# Altium PCB radioboard.PcbDoc (part 7 of 9) (continued)
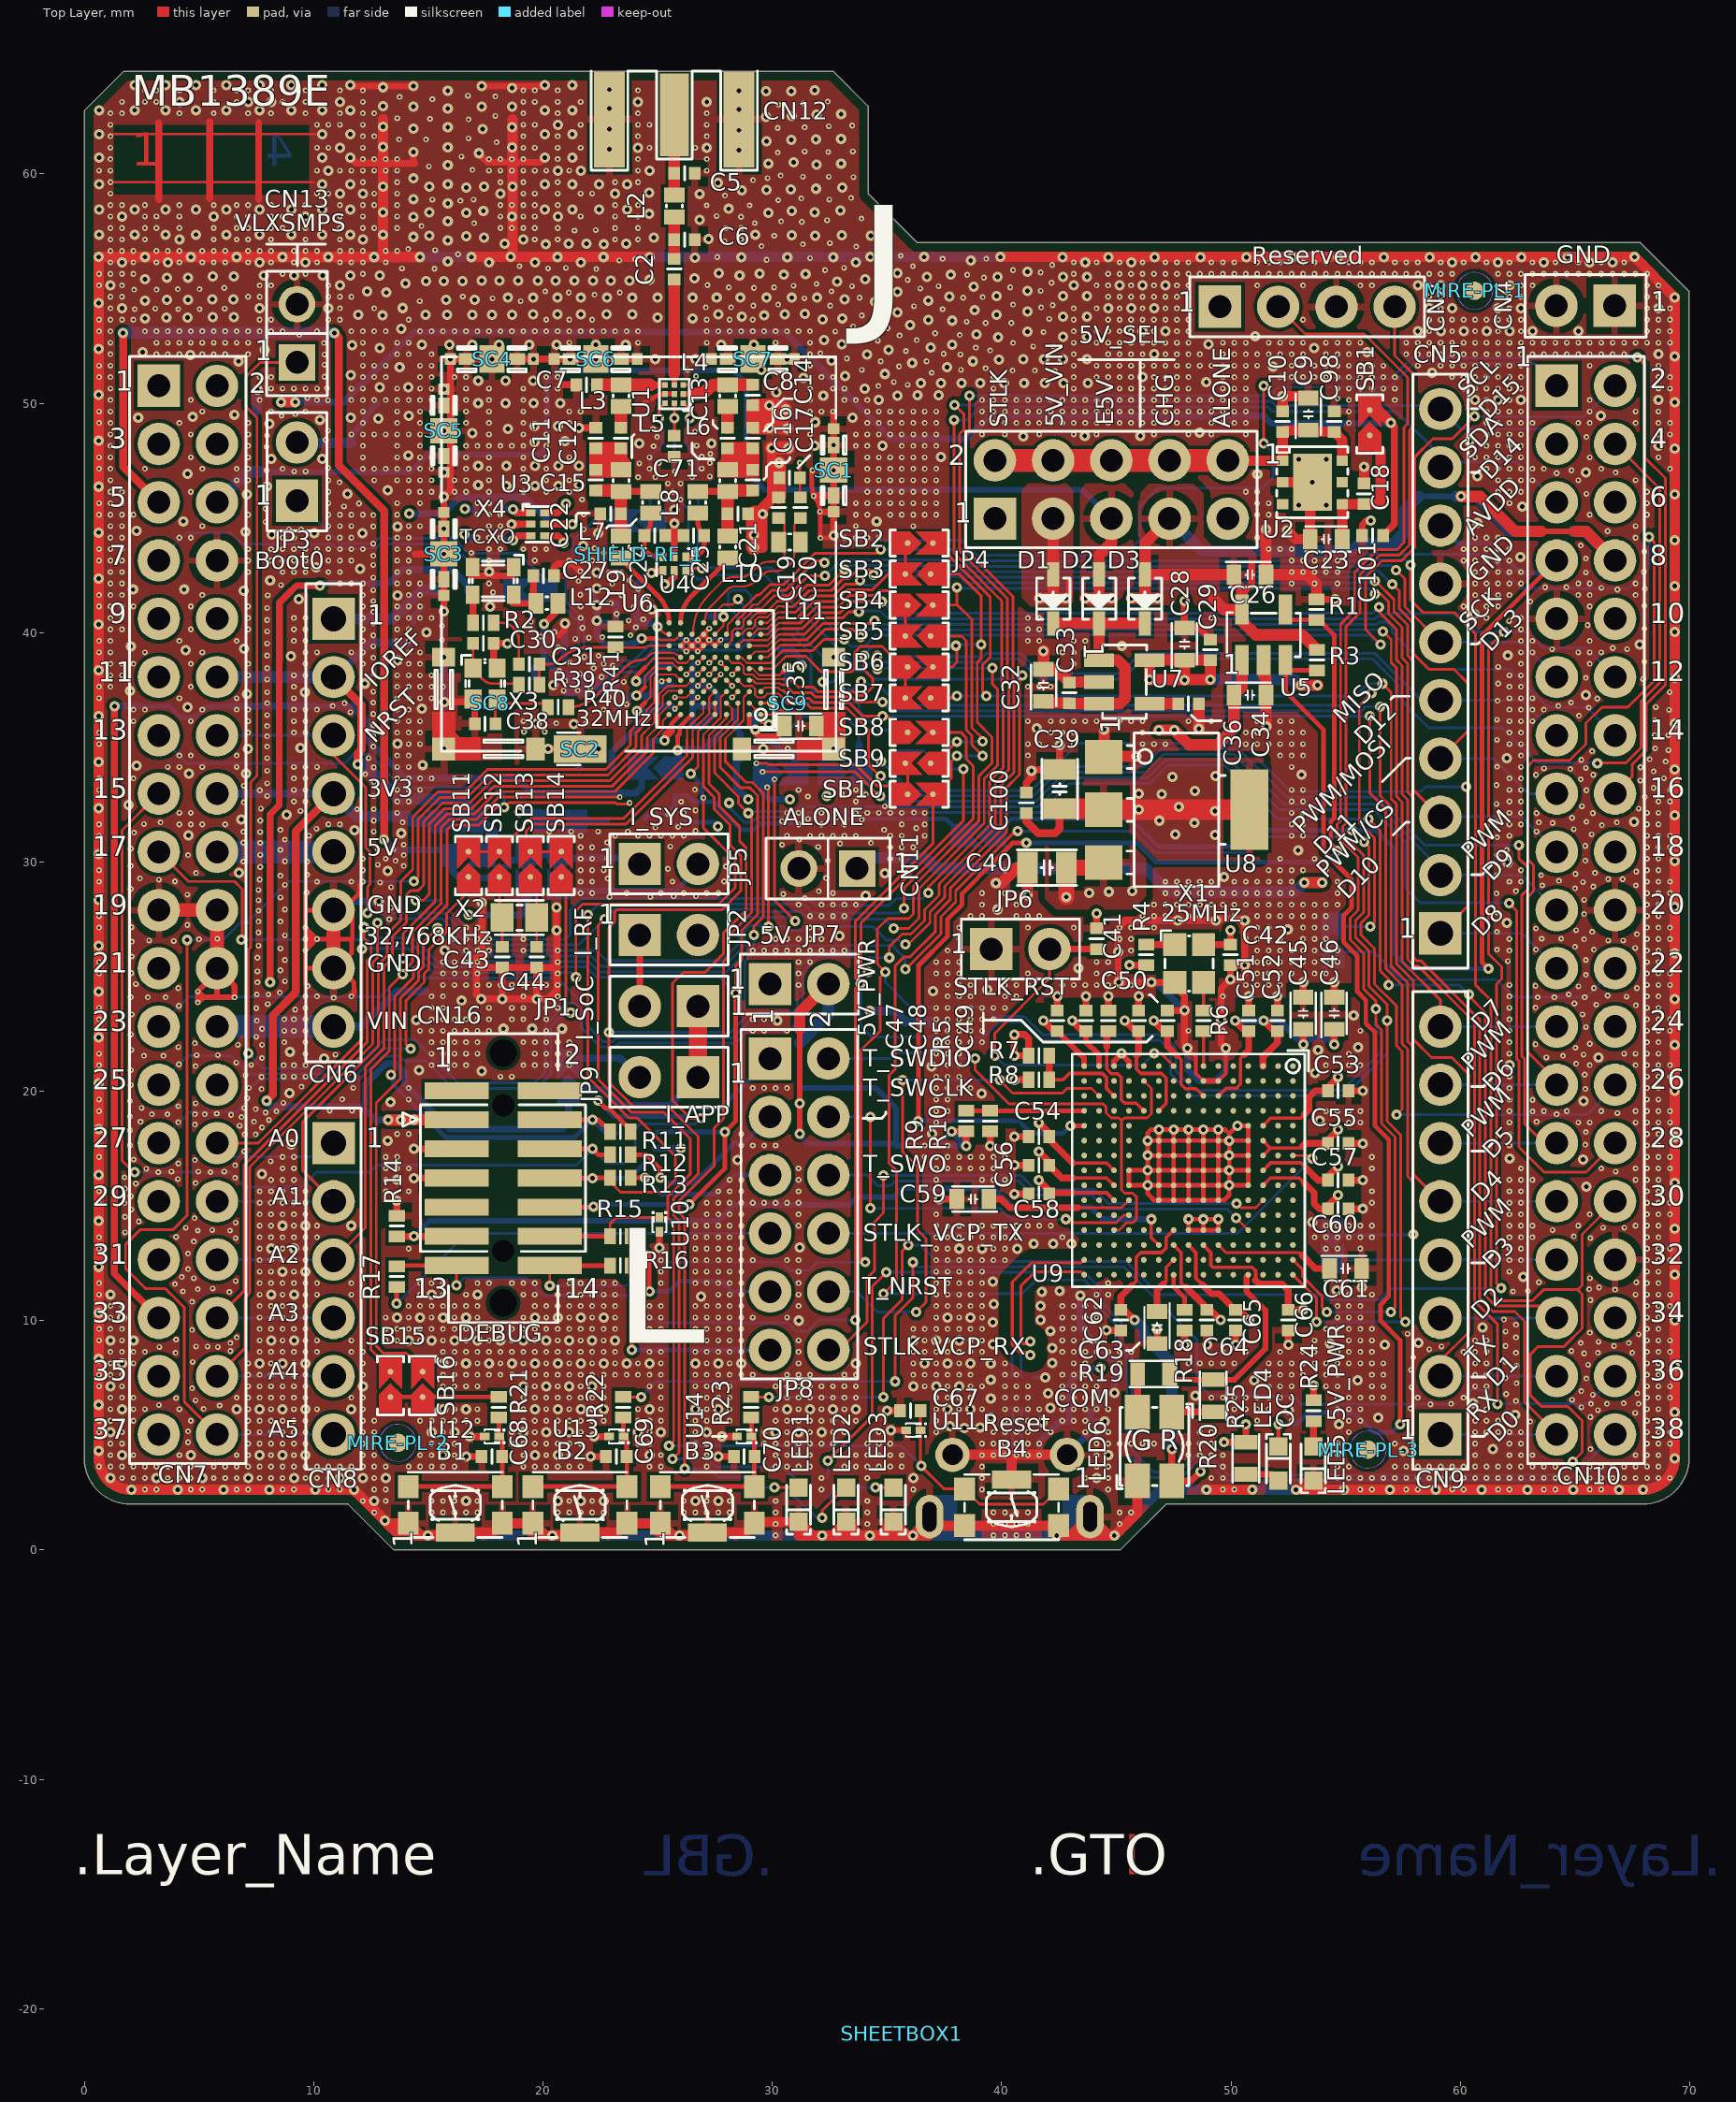
[diagram p0: Top Layer view]
## Nets (pads, with @x,y where several pads share a name; then routed paths per layer and width w, separated by ;. In a path a pad name is that pad's centre, name@x,y a point inside that pad or via, vN(x,y) a via of type N, cw(c..) or ccw(c..) an arc to the next point about the centre after c; other vN are vias at no path point) (continued)
  Top Layer w0.55: 22.65,47.1 C15.2@22.475,47.1 ; 22.85,47.1 L5.2@23.4,47.1 ; C11.2@22.3,48.025 22.85,47.475 ; C11.2@22.3,48.025 C15.2@22.3,47.1 C15.2@22.475,47.1 ; C11.2@22.3,48.025 C12.1@23.4,48.025 ; C15.2@22.475,47.1 22.85,47.475 ; 22.85,47.475 C12.1@23.4,48.025 ; 22.85,47.475 23.225,47.1 L5.2@23.4,47.1 ; L5.2@23.4,47.1 23.4,47.75 C12.1@23.4,48.025
  Top Layer w0.65: C15.2@22.475,47.1 L5.2@23.225,47.1
NetC12_2: C12.2 L3.1 | length 0.9
  Top Layer w0.55: C12.2@23.4,48.925 L3.1@23.4,49.85
NetC13_1: C13.1 L4.1 | length 0.9
  Top Layer w0.55: C13.1@28.05,48.925 L4.1@28.05,49.85
NetC13_2: C13.2 C14.2 C16.1 L6.2 | length 8.7
  Top Layer w0.2: L6.2@28.05,47.1 28.225,47.1 28.45,46.875 C16.1@29.325,46.875
  Top Layer w0.55: 28.125,47.6 28.125,47.525 28.05,47.45 ; 28.05,47.45 27.875,47.275 L6.2@28.05,47.1 28.05,47.45 ; 28.05,47.45 C13.2@28.05,48.025 ; C13.2@28.05,48.025 28.513,47.563 28.6,47.475 ; C13.2@28.05,48.025 C14.2@29.15,48.025 ; 28.6,47.475 C14.2@29.15,48.025 ; 28.6,47.475 28.225,47.1 C16.1@28.975,47.1 ; 28.6,47.475 C16.1@28.975,47.1 ; C16.1@28.975,47.1 C16.1@29.15,47.1 ; C16.1@28.975,47.1 C16.1@29.15,47.1 ; C16.1@29.15,47.1 C14.2@29.15,48.025
NetC15_1: C15.1 C22.2 L5.1 L7.2 L9.2 | length 4.4
  Top Layer w0.3: L5.1@23.4,46.15 L7.2@24.7,46.15
  Top Layer w0.55: C15.1@22.3,46.2 23.35,46.2 L5.1@23.4,46.15 C22.2@23.4,45.175 L9.2@23.4,44.2
NetC16_2: C16.2 C21.2 L6.1 L8.2 L10.2 | length 4.4
  Top Layer w0.21: C21.2@28.05,45.025 C21.2@28.05,45.175
  Top Layer w0.3: L8.2@26.75,46.15 L6.1@28.05,46.15
  Top Layer w0.55: L10.2@28.05,44.2 C21.2@28.05,45.025 ; C21.2@28.05,45.175 L6.1@28.05,46.15 28.1,46.2 C16.2@29.15,46.2
NetC17_2: C17.2 C20.2 U1.3 | length 10.6
  Top Layer w0.11: U1.3@26.125,50.8 26.294,50.8 ccw(c26.294,51.056) 26.475,50.875 26.604,51.004 ccw(c26.434,51.175) v4(26.675,51.175) ; v4(31.2,47.4) C17.2@31.2,46.75 31.2,45.96 ccw(c31.285,45.96) C20.2@31.225,45.9
  Signal Layer 1 w0.1: v4(26.675,51.175) 26.706,51.206 cw(c28.502,49.41) 28.502,51.95 29.375,51.95 cw(c29.375,50.924) 30.101,51.649 30.75,51 cw(c29.664,49.914) 31.2,49.914 v4(31.2,47.4)
NetC18_2: C18.2 C23.2 SB1.1 U2.4 | length 6.4
  Top Layer w0.45: C23.2@54.85,44.075 U2.4@54.85,45.6 C18.2@55.8,45.6 56.45,45.6 56.525,45.675 56.525,47.925 56.05,48.4 SB1.1@56.05,48.6
NetC24_1: C24.1 L7.1 U4.3 | length 2.5
  Top Layer w0.21: L7.1@24.7,45.2 24.7,44.889 cw(c23.761,44.889) C24.1@24.425,44.225 24.425,43.802 ccw(c24.852,43.802) 24.55,43.5 ccw(c25.033,43.983) 25.033,43.3 U4.3@25.225,43.3
NetC25_2: C25.2 L8.1 U4.1 | length 2.5
  Top Layer w0.21: U4.1@26.225,43.3 26.417,43.3 ccw(c26.417,43.983) 26.9,43.5 ccw(c26.598,43.802) 27.025,43.802 C25.2@27.025,44.225 cw(c27.689,44.889) 26.75,44.889 L8.1@26.75,45.2
NetC27_2: C27.2 L12.1 X4.4 | length 2.3
  Top Layer w0.3: X4.4@18.675,41.275 L12.1@19.7,41.275 19.575,41.4 C27.2@19.575,42.475
NetC30_2: C30.2 R39.2 X3.1 | length 3.4
  Top Layer w0.12: C30.2@16.95,39.525 X3.1@16.95,38.45 16.95,38.375 17.338,37.987 ccw(c17.85,38.499) 17.85,37.775 18.9,37.775 R39.2@18.95,37.725
NetC31_1: C31.1 R2.2 | length 3
  Top Layer w0.12: R2.2@18.028,40.2 17.875,40.2 17.975,40.3 R2.2@17.85,40.425 18.184,40.425 cw(c18.184,39.659) 18.95,39.659 C31.1@18.95,38.625
NetC32_2: C32.2 C33.2 D1.2 D2.2 D3.2 U7.1 U7.3 | length 11.9
  Top Layer w0.5: C32.2@41.825,37 41.9,36.925 C33.2@42.95,36.925 42.975,36.9 U7.3@44.25,36.9 45.15,36.9 45.375,37.125 45.375,38.475 45.05,38.8 U7.1@44.25,38.8 D2.2@44.25,40.405 ; D1.2@42.25,40.405 D2.2@44.25,40.405 ; D3.2@46.25,40.405 D2.2@44.25,40.405
NetC36_2: C36.2 U7.4 | length 1.3
  Top Layer w0.5: U7.4@46.45,36.9 C36.2@47.7,36.9
NetC38_2: C38.2 R40.2 X3.3 | length 3.5
  Top Layer w0.12: C38.2@17.925,36.025 17.925,37.025 X3.3@18,37.1 18.2,36.9 20.063,36.9 R40.2@20.213,36.75
NetC59_2: C59.2 U9.M10 | length 6.4
  Top Layer w0.12: 43.325,14.925 45.225,14.925 U9.M10@45.55,15.25
  Top Layer w0.3: C59.2@39.45,15.3 39.975,15.3 40.35,14.925 43.325,14.925
NetC61_2: C61.2 U9.F13 | length 5.3
  Top Layer w0.12: U9.F13@49.45,13.3 49.775,12.975 52.975,12.975 53.1,12.85
  Top Layer w0.3: 53.1,12.85 53.675,12.275 C61.2@54.3,12.275
NetC63_2: C63.2 U9.J14 | length 2.6
  Top Layer w0.15: 47.05,11.6 47.17,11.72 47.17,12.32 U9.J14@47.5,12.65
  Top Layer w0.3: C63.2@46.775,10.4 46.775,11.325 47.05,11.6
NetC71_2: C71.2 R28.2 U1.8 | length 3.9
  Top Layer w0.12: C71.2@25.725,48.575 25.725,49.312 v3@25.75,49.338 ; v3(25.725,49.35) U1.8@25.725,50
  Bottom Layer w0.12: R28.2@25.725,46.875 v3(25.725,49.35)
NetC72_2: C72.2 R27.2 U1.1 | length 3.5
  Top Layer w0.12: U1.1@26.125,50 26.4,49.725 v3(26.4,49.35)
  Bottom Layer w0.12: v3(26.4,49.35) 26.25,49.2 26.25,48.2 C72.2@26.775,47.675 R27.2@26.775,46.875
NetC73_2: C73.2 R29.1 U1.7 | length 3.5
  Top Layer w0.12: v3(25.05,49.35) 25.05,49.725 U1.7@25.325,50
  Bottom Layer w0.12: R29.1@24.675,46.875 24.675,47.675 25.2,48.2 25.2,49.2 v3(25.05,49.35)
NetC74_2: C74.2 C76.2 C92.2 U4.4 U6.H9 | length 4.6
  Top Layer w0.12: v3(25,40.25) 25.201,40.049 ccw(c25.5,40.347) U6.H9@25.5,39.925
  Top Layer w0.3: v3(24.726,42.602) cw(c24.963,42.366) 24.963,42.7 U4.4@25.225,42.7
  Bottom Layer w0.3: v3(24.726,42.602) 24.726,42.534 ccw(c24.726,41.908) 24.1,41.908 C74.2@24.1,41.3 C76.2@24.1,40.4 24.638,40.4 cw(c24.638,39.888) v3(25,40.25)
NetC85_2: C85.2 L13.1 SB22.2 U6.B2 | length 8
  Top Layer w0.09: U6.B2@29,36.925 29.25,36.675 29.25,36.529 29.25,36.321 29.521,36.05 v3@29.875,36.05
  Bottom Layer w0.12: v3(29.85,36) 29.85,36.025 30.225,35.65 C85.2@30.75,35.65 30.75,35.775 31.3,36.325 33.2,36.325 33.775,35.75 L13.1@33.775,35.15
  Bottom Layer w0.3: SB22.2@33.775,33.85 L13.1@33.775,35.15
NetC88_2: C88.2 C89.2 L14.2 SB26.2 U6.A5 U6.B5 | length 20.7
  Top Layer w0.09: 26.76,35.362 26.76,35.685 U6.A5@27.5,36.425
  Top Layer w0.12: v3(26.45,33.85) 26.76,34.16 26.76,35.362 ; U6.A5@27.5,36.425 U6.B5@27.5,36.925
  Bottom Layer w0.2: L14.2@24.425,31.875 24.65,32.1 25.4,32.1 25.75,32.45 C88.2@25.75,32.9 26.275,32.9 26.55,32.625 C89.2@26.925,32.625 ; v3(26.45,33.85) 26.925,33.375 C89.2@26.925,32.625 ; SB26.2@38.4,31.15 38.3,31.15 37.57,31.88 31.416,31.88 31.216,31.68 29.474,31.68 29.194,31.4 28.65,31.4 27.425,32.625 C89.2@26.925,32.625
NetC95_2: C95.2 JP3.2 R26.2 | length 4.6
  Bottom Layer w0.3: R26.2@11.65,48.275 11.65,48.625 12.25,49.225 12.25,49.45 C95.2@12.775,49.975
  Bottom Layer w0.45: JP3.2@9.25,48.275 R26.2@11.65,48.275
NetCN6_1: CN6.1 R31.1 | length 5
  Bottom Layer w0.5: CN6.1@10.867,40.601 10.868,40.6 13.466,40.6 14.732,41.866 15.259,41.866 R31.1@15.3,41.825
NetCN7_7: CN7.7 SB19.2 | length 17.8
  Bottom Layer w0.12: CN7.7@3.247,43.141 4.456,44.35 6.4,44.35 6.89,43.86 10.826,43.86 11.036,43.65 12.69,43.65 12.9,43.86 16.013,43.86 16.661,43.212 18.397,43.212 18.85,42.76 SB19.2@18.85,41.85
NetCN10_22: CN10.22 SB30.1 | length 13.6
  Bottom Layer w0.12: SB30.1@54.45,26.075 56.225,26.075 57.434,24.866 61.584,24.866 62.35,24.1 65.486,24.1 CN10.22@66.747,25.361
NetCN13_1: CN13.1 R33.1 | length 81.8
  Top Layer w0.12: v3(7.15,21.65) 7.15,26.175 7.247,26.272 7.247,26.91 7.25,26.914 7.25,29.975 7.255,29.98 7.255,33.48 7.525,33.75 ; 7.53,33.75 7.53,49.37 7.05,49.85 7.05,51.15 7.675,51.775 CN13.1@9.275,51.775 ; v3(34.175,25.2) 33.87,25.505 33.87,27.331 38.325,31.786 v3(38.325,34.05)
  Bottom Layer w0.12: v3(7.15,21.65) 7.795,21.005 11.806,21.005 13.056,22.255 14.393,22.255 16.283,20.365 19.626,20.365 20.098,20.838 20.098,22.909 21.032,23.842 21.38,23.842 21.665,23.558 21.665,22.785 22.52,21.93 23.142,21.93 23.307,22.095 28.377,22.095 28.907,22.625 30.7,22.625 31.34,23.265 31.34,25.228 31.988,25.875 33.5,25.875 v3(34.175,25.2) ; R33.1@35.525,34.85 36.625,34.85 37.425,34.05 v3(38.325,34.05)
NetJP8_1: JP8.1 R11.2 | length 10.9
  Top Layer w0.2: v3(22.4,19.587) 22.712,19.275 22.862,19.275 23.825,18.313 R11.2@23.825,18.237
  Bottom Layer w0.2: v3(22.4,19.587) 23.088,18.9 26.225,18.9 26.588,19.263 27.743,19.263 JP8.1@29.905,21.425
NetJP8_3: JP8.3 R12.2 | length 8
  Top Layer w0.2: R12.2@23.825,17.237 24.5,17.237 25.125,16.612 v3(25.125,16.225)
  Bottom Layer w0.2: v3(25.125,16.225) 25.35,16 26.588,16 28.325,17.738 28.758,17.738 JP8.3@29.905,18.885
NetJP8_5: JP8.5 R13.2 | length 6.7
  Top Layer w0.2: R13.2@23.825,16.225 v3(24.45,16.225)
  Bottom Layer w0.2: v3(24.45,16.225) 25.155,15.52 27.52,15.52 28.345,16.345 JP8.5@29.905,16.345
NetJP8_7: JP8.7 R17.1 | length 18.3
  Top Layer w0.2: v3(13.625,10.75) R17.1@13.625,11.475
  Bottom Layer w0.12: v3(13.625,10.75) 16.68,13.805 JP8.7@29.905,13.805
NetJP8_9: JP8.9 R15.2 | length 8.4
  Top Layer w0.2: R15.2@23.825,13.675 24.63,12.87 24.63,11.295 v3(24.65,11.275)
  Bottom Layer w0.2: v3(24.65,11.275) 25.5,11.275 25.95,11.725 27.79,11.725 28.25,11.265 JP8.9@29.905,11.265
NetJP8_11: JP8.11 R16.2 | length 9.7
  Top Layer w0.2: R16.2@23.825,12.4 23.875,12.35 v3(23.875,8.725)
  Bottom Layer w0.2: v3(23.875,8.725) JP8.11@29.905,8.725
NetL9_1: L9.1 U6.J9 | length 3.6
  Top Layer w0.21: L9.1@23.45,43.25 ccw(c23.661,43.25) 23.512,43.101 25.014,41.599 cw(c23.84,40.425) 25.126,41.475 cw(c23.84,40.425) U6.J9@25.5,40.425
NetL10_1: L10.1 U6.J8 | length 3.6
  Top Layer w0.21: U6.J8@26,40.425 cw(c27.66,40.425) 26.374,41.475 cw(c27.66,40.425) 26.486,41.599 L10.1@27.988,43.101 ; L10.1@27.988,43.101 ccw(c27.839,43.25) L10.1@28.05,43.25
NetL13_2: L13.2 R32.2 R33.2 | length 4.7
  Bottom Layer w0.12: R32.2@31.55,36.9 31.6,36.95 L13.2@33.775,36.95 33.775,36.6 34.625,35.75 R33.2@35.525,35.75
NetL14_1: L14.1 SB24.2 | length 1.5
  Bottom Layer w0.2: SB24.2@21.325,31.775 L14.1@22.825,31.775
NetLED1_1: LED1.1 R36.2 | length 2.3
  Top Layer w0.12: v3(30.1,2.725) LED1.1@31.147,2.725
  Bottom Layer w0.12: R36.2@29.075,2.275 29.175,2.275 29.625,2.725 v3(30.1,2.725)
NetLED2_1: LED2.1 R35.2 | length 3.3
  Top Layer w0.12: v3(32.175,1.4) 32.175,1.725 33.175,2.725 LED2.1@33.217,2.725
  Bottom Layer w0.12: R35.2@30.975,2.275 31.05,2.275 31.925,1.4 v3(32.175,1.4)
NetLED3_1: LED3.1 R34.2 | length 3
  Top Layer w0.12: v3(34.505,2.725) LED3.1@35.277,2.725
  Bottom Layer w0.12: R34.2@32.425,2.275 32.525,2.275 32.975,2.725 v3(34.505,2.725)
NetLED4_1: LED4.1 R25.1 | length 1.5
  Top Layer w0.3: R25.1@50.65,3.3 51.787,3.3 LED4.1@52.066,3.021
NetLED4_2: LED4.2 R3.1 U5.3 | length 44.3
  Top Layer w0.2: LED4.2@52.066,4.521 52.066,5.466 v3(52.075,5.475) ; U5.3@52.375,38.8 U5.3@52.375,38.4 ; R3.1@53.75,38.35 52.425,38.35 U5.3@52.375,38.4 ; v3(57.375,5.475) 57.375,9.15 56.525,10 56.525,10.7 56.88,11.055 56.88,17.885 56.283,18.482 56.283,22.559 55.88,22.962 55.88,23.976 55.502,24.354 55.502,25.907 54.913,26.496 54.913,27.659 55.26,28.006 55.26,29.24 54.03,30.47 54.03,35.77 52.375,37.425 U5.3@52.375,38.4
  Bottom Layer w0.2: v3(52.075,5.475) 52.85,5.475 53.35,5.975 55.375,5.975 56.225,5.125 57.025,5.125 v3(57.375,5.475)
NetLED5_1: LED5.1 R24.2 | length 1.1
  Top Layer w0.3: LED5.1@53.59,4.521 53.59,5.615 R24.2@53.6,5.625
NetLED6_2: LED6.2 R19.1 | length 1.7
  Top Layer w0.3: LED6.2@45.917,6.015 45.925,6.023 R19.1@45.925,7.675
NetLED6_3: LED6.3 R20.1 | length 1.8
  Top Layer w0.3: LED6.3@47.417,6.015 47.427,6.025 R20.1@49.225,6.025
NetR2_1: R2.1 X4.3 | length 1.2
  Top Layer w0.3: X4.3@16.925,41.65 cw(c16.925,41.625) 16.95,41.625 R2.1@16.95,40.425
NetR4_2: R4.2 X1.1 | length 1.3
  Top Layer w0.3: R4.2@46.3,26.4 X1.1@47.55,26.4
NetR5_2: R5.2 U9.L4 | length 4.6
  Top Layer w0.15: 44.58,21.945 44.58,20.967 44.777,20.77 45.055,20.77 45.22,20.605 45.22,19.63 45.37,19.48 45.87,19.48 U9.L4@46.2,19.15
  Top Layer w0.3: 44.58,21.945 44.58,22.555 R5.2@44.65,22.625
NetR6_1: R6.1 X1.3 | length 1.2
  Top Layer w0.15: R6.1@48.8,23.525 X1.3@48.8,24.75
NetR6_2: R6.2 U9.G1 | length 1.5
  Top Layer w0.15: U9.G1@48.8,21.1 R6.2@48.8,22.625
NetR7_2: R7.2 R8.2 U9.N3 | length 4.7
  Top Layer w0.15: R8.2@42.075,20.5 42.675,20.5 42.95,20.775 44.391,20.775 44.575,20.591 44.575,20.125 U9.N3@44.9,19.8
  Top Layer w0.3: R8.2@42.075,20.5 R7.2@42.075,21.55
NetR18_2: R18.2 U9.J15 | length 1.7
  Top Layer w0.2: U9.J15@47.5,12 47.5,11.477 47.975,11.002 R18.2@47.975,10.5
NetR21_2: R21.2 SB15.1 SB16.1 | length 4.7
  Top Layer w0.2: SB15.1@13.35,6.675 SB16.1@14.75,6.675 R21.2@18.075,6.675
NetR29_2: R29.2 SB18.1 | length 1.2
  Bottom Layer w0.12: 24.65,44.75 24.675,44.775 R29.2@24.675,45.975
NetR32_1: R32.1 U6.B1 | length 1.3
  Top Layer w0.12: U6.B1@29.5,36.925 29.975,36.925 30,36.9 30.001,36.901 v3(30.001,36.952)
  Signal Layer 2 w0.12: v3@30.001,36.924 v3(30.001,36.952)
  Bottom Layer w0.09: v3(30.001,36.952) R32.1@30.468,36.952
  Bottom Layer w0.12: R32.1@30.468,36.952 30.673,36.952 R32.1@30.675,36.95
NetR37_1: R37.1 U3.3 | length 1.6
  Top Layer w0.3: v3(18.7,44.025) 18.9,44.225 U3.3@19.475,44.225
  Bottom Layer w0.3: R37.1@18.062,44.25 18.287,44.025 v3(18.7,44.025)
NetR38_1: R38.1 U3.1 | length 1.5
  Top Layer w0.3: v3(18.687,45.375) 18.837,45.225 U3.1@19.475,45.225
  Bottom Layer w0.3: R38.1@18.062,45.237 18.2,45.375 v3(18.687,45.375)
NetR40_1: R40.1 U6.F8 | length 5.8
  Top Layer w0.09: 24.45,38.836 ccw(c24.4,38.946) 24.485,38.86 24.625,39 cw(c24.927,38.698) 24.927,39.125 25.517,39.125 cw(c25.517,38.442) U6.F8@26,38.925
  Top Layer w0.12: R40.1@21.113,36.75 ccw(c21.113,38.5) 22.35,37.263 23.568,38.48 cw(c24.4,37.648) 24.4,38.825 ccw(c24.4,38.946) 24.45,38.836
NetSB11_2: SB11.2 SB12.2 U6.B6 | length 13.8
  Top Layer w0.09: 26.28,35.362 26.28,35.805 27,36.525 U6.B6@27,36.925
  Top Layer w0.12: SB11.2@16.75,30.45 SB12.2@18.1,30.45 ; SB12.2@18.125,30.538 19.022,31.435 19.022,31.437 19.476,31.89 23.521,31.89 26.28,34.649 26.28,35.362
NetSB13_2: SB13.2 SB14.2 U6.C5 | length 13.8
  Top Layer w0.09: 26.52,35.362 26.52,35.745 27.25,36.475 27.25,37.029 27.25,37.175 U6.C5@27.5,37.425
  Top Layer w0.12: 19.262,30.825 19.262,31.337 19.575,31.65 23.621,31.65 26.52,34.549 26.52,35.362 ; SB13.2@19.45,30.45 SB14.2@20.8,30.45 ; 20.55,30.45 20.55,30.55
OSC32_IN: C43.1 SB12.1 X2.2 | length 3.1
  Top Layer w0.12: SB12.1@18.1,29.35 18.1,27.7 X2.2@18.225,27.575 C43.1@18.225,26.3
OSC32_OUT: C44.1 SB13.1 X2.1 | length 3.2
  Top Layer w0.12: SB13.1@19.45,29.35 19.725,29.075 X2.1@19.725,27.575 C44.1@19.725,26.3
PA0: CN10.1 SB16.2 U6.D6 | length 110.7
  Top Layer w0.12: SB16.2@14.75,7.775 14.75,7.875 14.05,8.575 13.05,8.575 12.73,8.895 12.73,19.495 13.781,20.545 13.781,24.048 14.584,24.851 14.584,25.232 14.785,25.433 14.785,26.507 v3(15.402,27.123) ; v2(26.75,37.675) U6.D6@27,37.925 ; v4(29.776,33.252) 29.836,33.192 29.836,27.184 v3(29.837,27.183) ; v3(35.802,26.401) 35.93,26.401 36.875,27.346 36.875,27.812 37.515,28.452 37.515,28.939 39.96,31.384 39.96,33.327 40.542,33.909 40.542,37.895 40.487,37.95 40.487,41.581 38.405,43.663 38.405,48.566 38.59,48.751 38.59,50.315 v3(38.6,50.325)
  Signal Layer 1 w0.12: v2(26.75,37.675) 27.1,37.325 27.1,37.2 27.95,36.35 27.95,34.35 29.05,33.25 29.778,33.25 v4(29.776,33.252)
  Bottom Layer w0.12: v3(15.402,27.123) 16.625,25.9 22.1,25.9 22.552,25.448 27.894,25.448 28.787,26.341 28.787,26.973 29.032,27.218 29.803,27.218 v3(29.837,27.183) 30.5,27.183 30.665,27.018 31.356,27.018 31.528,27.19 34.385,27.19 34.98,26.595 35.555,26.595 35.775,26.375 v3(35.802,26.401) ; v3(38.6,50.325) 51.702,50.325 52.082,50.705 56.944,50.705 57.974,51.735 63.233,51.735 CN10.1@64.207,50.761
PA1: CN10.36 R22.2 U6.G3 | length 118.8
  Top Layer w0.09: U6.G3@28.5,39.425 28.75,39.675 29.4,39.675 29.798,39.675 30.293,40.17 30.468,40.17
  Top Layer w0.12: R22.2@23.5,6.675 v3(24.275,6.675) ; 30.468,40.17 31.306,40.17 32.009,40.872 32.966,40.872 33.444,41.35 v3(34.775,41.35) ; v3(35.35,7.35) 35.35,10.225 36.125,11 v3(36.125,12.55) ; v3@56.475,40.879 57.222,40.132 57.222,38.796 57.462,38.556 57.462,32.949 57.702,32.709 57.702,25.753 57.995,25.46 58.164,25.46 60.312,23.312 60.615,23.009 60.615,10.86 61.615,9.86 v3(61.615,6.36)
  Bottom Layer w0.12: v3(24.275,6.675) 24.95,7.35 v3(35.35,7.35) ; v3(34.775,41.35) 35.283,40.842 56.166,40.842 56.426,41.102 v3(56.453,41.102) ; v3(36.125,12.55) 36.33,12.345 45.33,12.345 48.5,9.175 48.5,7.325 49.1,6.725 52.71,6.725 53.075,6.36 59.81,6.36 60.45,7 60.975,7 v3(61.615,6.36) 61.63,6.375 65.541,6.375 CN10.36@66.747,7.581
PA2: SB2.1 SB3.2 U6.H2 | length 9.3
  Top Layer w0.09: U6.H2@29,39.925 29.146,39.925 29.396,40.175 29.789,40.175 30.264,40.65 30.468,40.65
  Top Layer w0.12: 30.468,40.65 31.108,40.65 31.81,41.352 32.768,41.352 33.28,41.865 34.365,41.865 35.05,42.55 SB3.2@35.8,42.55 35.8,43.8 SB2.1@35.9,43.9
PA3: SB4.1 SB5.2 U6.H1 | length 8.6
  Top Layer w0.09: U6.H1@29.5,39.925 29.793,39.925 30.278,40.41 30.468,40.41
  Top Layer w0.12: 30.468,40.41 31.207,40.41 31.909,41.112 32.867,41.112 33.38,41.625 34.464,41.625 34.664,41.825 35.075,41.825 35.8,41.1 SB5.2@35.8,39.85
PA4: CN5.3 CN10.17 U6.J1 | length 45.1
  Top Layer w0.09: U6.J1@29.5,40.425 29.784,40.425 30.249,40.89 30.468,40.89
  Top Layer w0.12: 30.468,40.89 31.008,40.89 31.71,41.592 32.668,41.592 33.181,42.105 33.655,42.105 v3(33.825,42.275) ; v3(56.275,42.25) 56.302,42.25 57.105,41.447 57.105,40.928 57.702,40.331 57.702,38.995 57.942,38.755 57.942,33.15 CN5.3@59.127,31.965
  Bottom Layer w0.12: v3(33.825,42.275) 34.038,42.062 34.563,42.062 34.95,42.45 38.148,42.45 38.428,42.17 56.195,42.17 v3(56.275,42.25) ; CN5.3@59.127,31.965 62.683,31.965 CN10.17@64.207,30.441
PA5: CN5.6 CN10.11 U6.J2 | length 39.3
  Top Layer w0.09: U6.J2@29,40.425 29,40.533 29.269,40.802 29.322,40.855 29.705,40.855 30.22,41.37
  Top Layer w0.12: 30.22,41.37 30.809,41.37 31.511,42.072 32.469,42.072 33.151,42.754 v3@33.179,42.754 ; v3(57.2,42.725) 57.585,42.34 57.585,41.127 CN5.6@59.127,39.585
  Bottom Layer w0.12: v3(33.15,42.75) 33.33,42.93 38.347,42.93 38.627,42.65 55.651,42.65 55.931,42.93 56.995,42.93 v3(57.2,42.725) ; CN5.6@59.112,39.6 CN5.6@59.127,39.585 62.683,39.585 CN10.11@64.207,38.061
PA6: CN5.5 CN10.13 U6.F4 | length 42
  Top Layer w0.09: U6.F4@28,38.925 28.25,38.675 28.604,38.675 28.75,38.529 28.75,38.25 28.825,38.175 29.142,38.175 29.352,37.965 30.468,37.965
  Top Layer w0.12: 30.468,37.965 30.79,37.965 31.135,37.62 31.798,37.62 31.993,37.425 33.548,37.425 33.723,37.25 34,37.25 34.375,37.625 34.375,38 34.015,38.36 v3(34.015,38.987) v3@34.088,38.987
  Bottom Layer w0.12: v3@33.852,38.952 33.98,38.952 v3(34.015,38.987) ; v3@33.983,39.019 34.364,39.4 34.8,39.4 35.248,38.952 39.19,38.952 39.335,39.097 40.844,39.097 41.726,38.215 45.169,38.215 46.051,39.097 56.268,39.097 58.319,37.045 CN5.5@59.127,37.045 62.683,37.045 CN10.13@64.207,35.521
PA7: CN5.4 CN10.15 U6.H3 | length 46.3
  Top Layer w0.09: U6.H3@28.5,39.925 28.646,39.925 28.896,40.175 29.125,40.175 29.25,40.3 29.25,40.321 29.25,40.529 29.396,40.675 29.78,40.675 30.25,41.145 30.428,41.145 30.443,41.13 30.468,41.13
  Top Layer w0.12: 30.468,41.13 30.909,41.13 31.611,41.832 32.569,41.832 33.082,42.345 33.318,42.345 33.723,42.75 34.2,42.75 v3(34.425,42.525) ; v3(57.025,42.1) 57.025,42.125 57.345,41.805 57.345,41.028 57.942,40.431 57.942,39.094 58.636,38.4 59.725,38.4 60.325,37.8 60.325,35.703 CN5.4@59.127,34.505
  Bottom Layer w0.12: v3(34.425,42.525) 34.59,42.69 38.247,42.69 38.527,42.41 55.75,42.41 56.03,42.69 56.435,42.69 v3(57.025,42.1) ; CN5.4@59.122,34.5 CN5.4@59.127,34.505 61.445,34.505 62.969,32.981 CN10.15@64.207,32.981
PA8: CN10.16 U6.J3 | length 68.9
  Top Layer w0.09: U6.J3@28.5,40.425 28.5,40.555 29.16,41.215 29.354,41.215 29.614,41.475
  Top Layer w0.12: 29.614,41.475 29.759,41.619 29.989,41.85 30.594,41.85 31.431,42.687 31.431,42.691 31.864,43.125 v3@32.3,43.125 ; v3(51.425,48.25) v3(51.425,50.75) ; CN10.16@66.747,32.981 67.5,33.734 67.5,34.261 68.115,34.876 68.115,36.886 68.942,37.713 68.942,46.733 68.05,47.625 68.05,51.675 v3(67.725,52)
  Bottom Layer w0.12: v3(32.277,43.052) 33.254,44.03 38.265,44.03 38.925,43.37 45.345,43.37 46.025,44.05 46.025,45.5 46.825,46.3 51.375,46.3 51.825,46.75 51.825,47.85 v3(51.425,48.25) ; v3(51.425,50.75) 51.75,51.075 56.975,51.075 57.875,51.975 67.7,51.975 v3(67.725,52)
PA9: CN5.2 CN10.19 U6.E5 | length 44.8
  Top Layer w0.12: v2(27.25,38.175) U6.E5@27.5,38.425 ; v4(29.575,33.925) 33.611,33.925 34.661,32.875 v3(34.7,32.875)
  Signal Layer 1 w0.12: v2(27.25,38.175) 27.95,37.475 27.95,37.05 28.55,36.45 28.55,34.6 29.225,33.925 v4(29.575,33.925)
  Bottom Layer w0.12: v3(34.7,32.875) 34.935,32.64 41.494,32.64 42.764,33.91 46.274,33.91 47.059,34.695 50.13,34.695 52.3,32.525 56.314,32.525 59.127,29.712 CN5.2@59.127,29.425 62.683,29.425 CN10.19@64.207,27.901
PA10: CN7.32 CN8.3 U6.C8 | length 40.4
  Top Layer w0.09: 24.45,35.673 24.865,36.088 24.865,36.46 25.225,36.82 25.225,37.22 25.46,37.455 25.97,37.455 U6.C8@26,37.425
  Top Layer w0.12: CN8.3@10.867,12.661 12.25,14.044 12.25,21.05 12.475,21.275 12.487,21.287 13.061,21.861 13.061,25.427 13.44,25.806 13.44,26.753 14.046,27.359 14.046,28.571 14.22,28.745 14.545,28.745 14.8,29 14.8,31.759 15.61,32.569 16.8,32.569 17.776,33.545 22.928,33.545 24.301,34.918 24.301,35.524 24.442,35.665 24.45,35.665 24.45,35.673
  Bottom Layer w0.12: CN7.32@5.787,12.661 CN8.3@10.867,12.661 CN8.3@10.878,12.65
PA11: CN5.9 CN10.5 U6.B9 | length 93.5
  Top Layer w0.09: 24.541,35.425 25.045,35.929 25.045,36.385 25.5,36.84 U6.B9@25.5,36.925
  Top Layer w0.12: v3(14.451,28.326) 14.776,28.326 15.05,28.6 15.05,31.669 15.71,32.329 16.899,32.329 17.876,33.305 23.03,33.305 24.541,34.816 24.541,35.425 ; v3(36.802,28.651) 36.802,28.905 39.48,31.583 39.48,33.526 40.062,34.108 40.062,37.631 40.007,37.686 40.007,41.382 39.745,41.644 38.505,42.884 37.925,43.464 v3(37.925,49.275)
  Bottom Layer w0.12: v3(14.451,28.326) 15.477,28.326 17.184,26.62 20.983,26.62 21.175,26.812 21.175,27.875 21.708,28.408 31.575,28.408 ; 31.575,28.4 31.875,28.1 35.1,28.1 35.408,28.408 36.558,28.408 v3@36.805,28.655 ; v3(36.802,28.651) v3@36.805,28.655 ; v3@36.875,28.655 v3@36.805,28.655 ; v3(37.925,49.275) 38.509,49.275 39.079,49.845 51.605,49.845 51.825,49.625 57.225,49.625 59.127,47.723 CN5.9@59.127,47.205 59.347,47.425 62.463,47.425 CN10.5@64.207,45.681
PA12: CN5.10 CN10.3 U6.A9 | length 99.8
  Top Layer w0.09: 24.817,35.362 25.045,35.59 25.045,35.619 25.225,35.799 25.225,36.15 U6.A9@25.5,36.425
  Top Layer w0.12: v3(13.9,25.8) 13.9,26.873 15.3,28.273 15.3,31.58 15.809,32.089 16.999,32.089 17.975,33.065 23.129,33.065 24.817,34.753 24.817,35.362 ; v3(35.1,25.825) 35.1,26.3 35.66,26.86 36.049,26.86 36.635,27.446 36.635,27.912 37.275,28.552 37.275,29.039 39.72,31.484 39.72,33.427 40.302,34.009 40.302,37.731 40.247,37.786 40.247,41.482 38.745,42.984 38.165,43.564 38.165,48.665 38.35,48.85 38.35,49.525 v3(37.95,49.925)
  Bottom Layer w0.12: v3(13.9,25.8) 14.76,24.94 20.622,24.94 21.905,23.657 21.905,22.884 22.619,22.17 23.043,22.17 23.208,22.335 28.278,22.335 29.423,23.48 30.943,23.48 31.1,23.638 31.1,25.327 31.888,26.115 33.599,26.115 33.889,25.825 v3(35.1,25.825) ; v3(37.95,49.925) 37.955,49.92 38.814,49.92 38.979,50.085 51.765,50.085 51.955,49.895 58.977,49.895 CN5.10@59.127,49.745 59.997,48.875 63.553,48.875 CN10.3@64.207,48.221
PA13: CN7.13 CN16.4 R11.1 U6.B8 U16.5 | length 57
  Top Layer w0.12: v3(13.375,20.713) 13.541,20.878 13.541,24.147 14.344,24.95 14.344,25.331 14.545,25.533 14.545,26.84 15.813,28.107 15.813,31.4 16.021,31.609 17.198,31.609 17.964,32.375 v3(18.3,32.375) 18.51,32.585 23.159,32.585 23.224,32.52 23.72,32.52 v2(23.775,32.575) ; v2(25.75,36.675) U6.B8@26,36.925
  Top Layer w0.2: CN16.4@20.296,18.758 v3(22.156,18.758) 22.405,18.758 R11.1@22.925,18.237
  Signal Layer 1 w0.09: 24.45,35.375 v2(25.75,36.675)
  Signal Layer 1 w0.12: v2(23.775,32.575) 23.775,34.7 24.45,35.375
  Bottom Layer w0.12: CN7.13@3.247,35.521 4.468,34.3 11.35,34.3 11.73,34.68 12.42,34.68 13.862,33.238 17.988,33.238 18.3,32.925 v3(18.3,32.375)
  Bottom Layer w0.2: v3(13.375,20.713) 13.488,20.599 13.488,20.271 15.776,17.983 21.381,17.983 v3(22.156,18.758) 22.751,18.163 U16.5@23.187,18.163
PA14: CN7.15 CN16.6 R12.1 U6.A4 U16.4 | length 68.8
  Top Layer w0.09: 27.24,35.362 27.24,35.514 28,36.274 U6.A4@28,36.425
  Top Layer w0.12: v3(2.2,16.475) 2.2,16.425 1.65,16.975 1.65,31.384 CN7.15@3.247,32.981 ; v3(26.882,18.818) 26.434,18.818 25.654,19.598 25.654,24.712 26.129,25.188 27.063,25.188 27.864,25.989 27.864,26.893 28.86,27.889 28.86,30.615 28.575,30.9 28.575,31.537 27.695,32.417 27.695,32.955 27.24,33.41 27.24,35.362
  Top Layer w0.2: CN16.6@20.296,17.488 v3(22.156,17.488) 22.406,17.237 R12.1@22.925,17.237
  Bottom Layer w0.12: v3(2.2,16.475) 6.35,16.475 7,15.825 9.475,15.825 10.125,16.475 12.45,16.475 12.75,16.775 21.443,16.775 v3(22.156,17.488) 22.781,16.862 U16.4@23.187,16.862 23.55,16.862 24.025,17.337 24.025,18.355 24.245,18.575 26.64,18.575 v3(26.882,18.818) ; CN7.15@3.247,32.928 CN7.15@3.247,32.981
PA15: CN7.17 CN16.10 U6.B3 U16.1 | length 62.6
  Top Layer w0.09: 27.72,35.362 27.72,35.419 28.5,36.199 U6.B3@28.5,36.925
  Top Layer w0.12: CN7.17@3.247,30.441 4.538,29.15 6.55,29.15 6.892,28.808 6.892,26.657 v3(6.842,26.606) ; 27.72,35.362 27.72,34.13 28.62,33.23 29.027,33.23 29.216,33.041 29.216,33.036 29.356,32.896 29.356,27.706 28.663,27.013 28.663,25.725 28.395,25.458 v3(28.395,24.288)
  Top Layer w0.2: CN16.10@20.296,14.948 v3@22.2,14.948 ; v3(26.375,15.075) 27.925,16.625 v3(27.925,18.225) 28.395,18.695 v3(28.395,24.288)
  Bottom Layer w0.12: v3(6.842,26.606) 12.354,26.606 12.501,26.46 14.249,26.46 15.149,25.561 15.289,25.42 21.891,25.42 22.343,24.968 27.715,24.968 v3(28.395,24.288)
  Bottom Layer w0.2: v3(22.2,14.975) 22.3,15.075 v3(26.375,15.075) ; U16.1@24.888,18.163 24.95,18.225 v3(27.925,18.225)
PB0: SB20.1 SB30.2 U6.F6 | length 58.5
  Top Layer w0.12: v2(26.75,38.675) U6.F6@27,38.925 ; v3(56.078,27.176) 56.26,27.359 56.26,31.042 55.595,31.707 55.595,36.82 v3(56.125,37.35)
  Signal Layer 1 w0.12: v2(26.75,38.675) 27.3,39.225 27.725,39.225 28.28,39.78 32.42,39.78 33.875,38.325 v3(33.875,37.875)
  Bottom Layer w0.12: SB20.1@22.6,37.7 SB20.1@22.625,37.725 22.8,37.725 23.357,38.282 24.182,38.282 25.125,39.225 28.55,39.225 29.225,39.9 30.85,39.9 31.68,39.07 31.68,37.57 31.82,37.43 31.88,37.43 31.885,37.425 32.945,37.425 33.05,37.53 33.53,37.53 v3(33.875,37.875) 34.015,37.735 34.613,37.735 35.518,36.83 55.591,36.83 56.111,37.35 v3(56.125,37.35) ; SB30.2@54.45,27.175 v3@56.076,27.175
PB0_VDD_TCXO: C77.1 C79.2 C97.2 L12.2 SB20.2 | length 5.6
  Top Layer w0.3: v3(20.05,40.375) 20.65,40.975 L12.2@20.65,41.275
  Bottom Layer w0.3: C97.2@19.65,38.025 19.65,38.475 C79.2@20.05,38.875 ; v3(20.05,40.375) C77.1@20.05,39.775 C79.2@20.05,38.875 ; SB20.2@21.525,37.725 21.025,38.225 20.683,38.225 20.05,38.858 C79.2@20.05,38.875
PB1: CN7.28 CN8.1 U6.E7 | length 48.5
  Top Layer w0.12: CN7.28@5.787,17.741 7.583,17.741 12.101,22.258 v3(12.101,26.201) ; v3(21.438,24.975) 21.438,27.875 21.725,28.162 27.669,28.162 28.38,28.874 28.38,30.095 27,31.475 v4(27,32.8) ; v2(26.25,38.175) U6.E7@26.5,38.425
  Signal Layer 1 w0.12: v2(26.25,38.175) 26.05,37.975 26.05,36.975 26.95,36.075 26.95,32.85 v4(27,32.8)
  Bottom Layer w0.12: CN7.28@5.787,17.741 6.378,17.15 10.276,17.15 CN8.1@10.867,17.741 ; v3(12.101,26.201) 12.095,26.207 12.095,26.22 14.15,26.22 15.19,25.18 21.232,25.18 v3(21.438,24.975)
PB2: CN7.30 CN8.2 U6.D8 | length 39.8
  Top Layer w0.09: 24.45,36.352 24.505,36.407 24.505,36.609 24.865,36.969 24.865,38.012 25.028,38.175 25.75,38.175 U6.D8@26,37.925
  Top Layer w0.12: CN8.2@10.867,15.201 9.525,16.543 9.525,18.664 12.821,21.96 12.821,25.526 13.2,25.906 13.2,26.852 13.806,27.458 13.806,29.153 14.32,29.668 14.32,31.957 14.39,32.028 15.411,33.049 16.601,33.049 17.577,34.025 22.73,34.025 23.81,35.105 23.81,35.712 24.351,36.253 24.45,36.352
  Bottom Layer w0.12: CN7.30@5.787,15.201 CN8.2@10.867,15.201 CN8.2@10.868,15.2
PB3: SB8.1 SB31.1 U6.C1 | length 55.7
  Top Layer w0.09: U6.C1@29.5,37.425 29.68,37.605 30.255,37.605 30.375,37.485 30.468,37.485
  Top Layer w0.12: 30.468,37.485 30.813,37.14 31.599,37.14 31.794,36.945 33.349,36.945 33.944,36.35 v3(34.8,36.35) 35,36.35 35.7,35.65 SB8.1@35.9,35.65 36.07,35.82 ; v3(56.05,36.35) 56.05,33.003 56.742,32.311 56.742,25.355 57.462,24.635 57.462,22.076 57.702,21.836 57.702,16.287 57.942,16.047 v3(57.942,13.767)
  Bottom Layer w0.12: v3(34.8,36.35) v3(56.05,36.35) ; SB31.1@54.425,13.75 57.925,13.75 v3(57.942,13.767)